# Altium PCB 0020-03_FFT2G.PcbDoc (part 12 of 16) (continued)
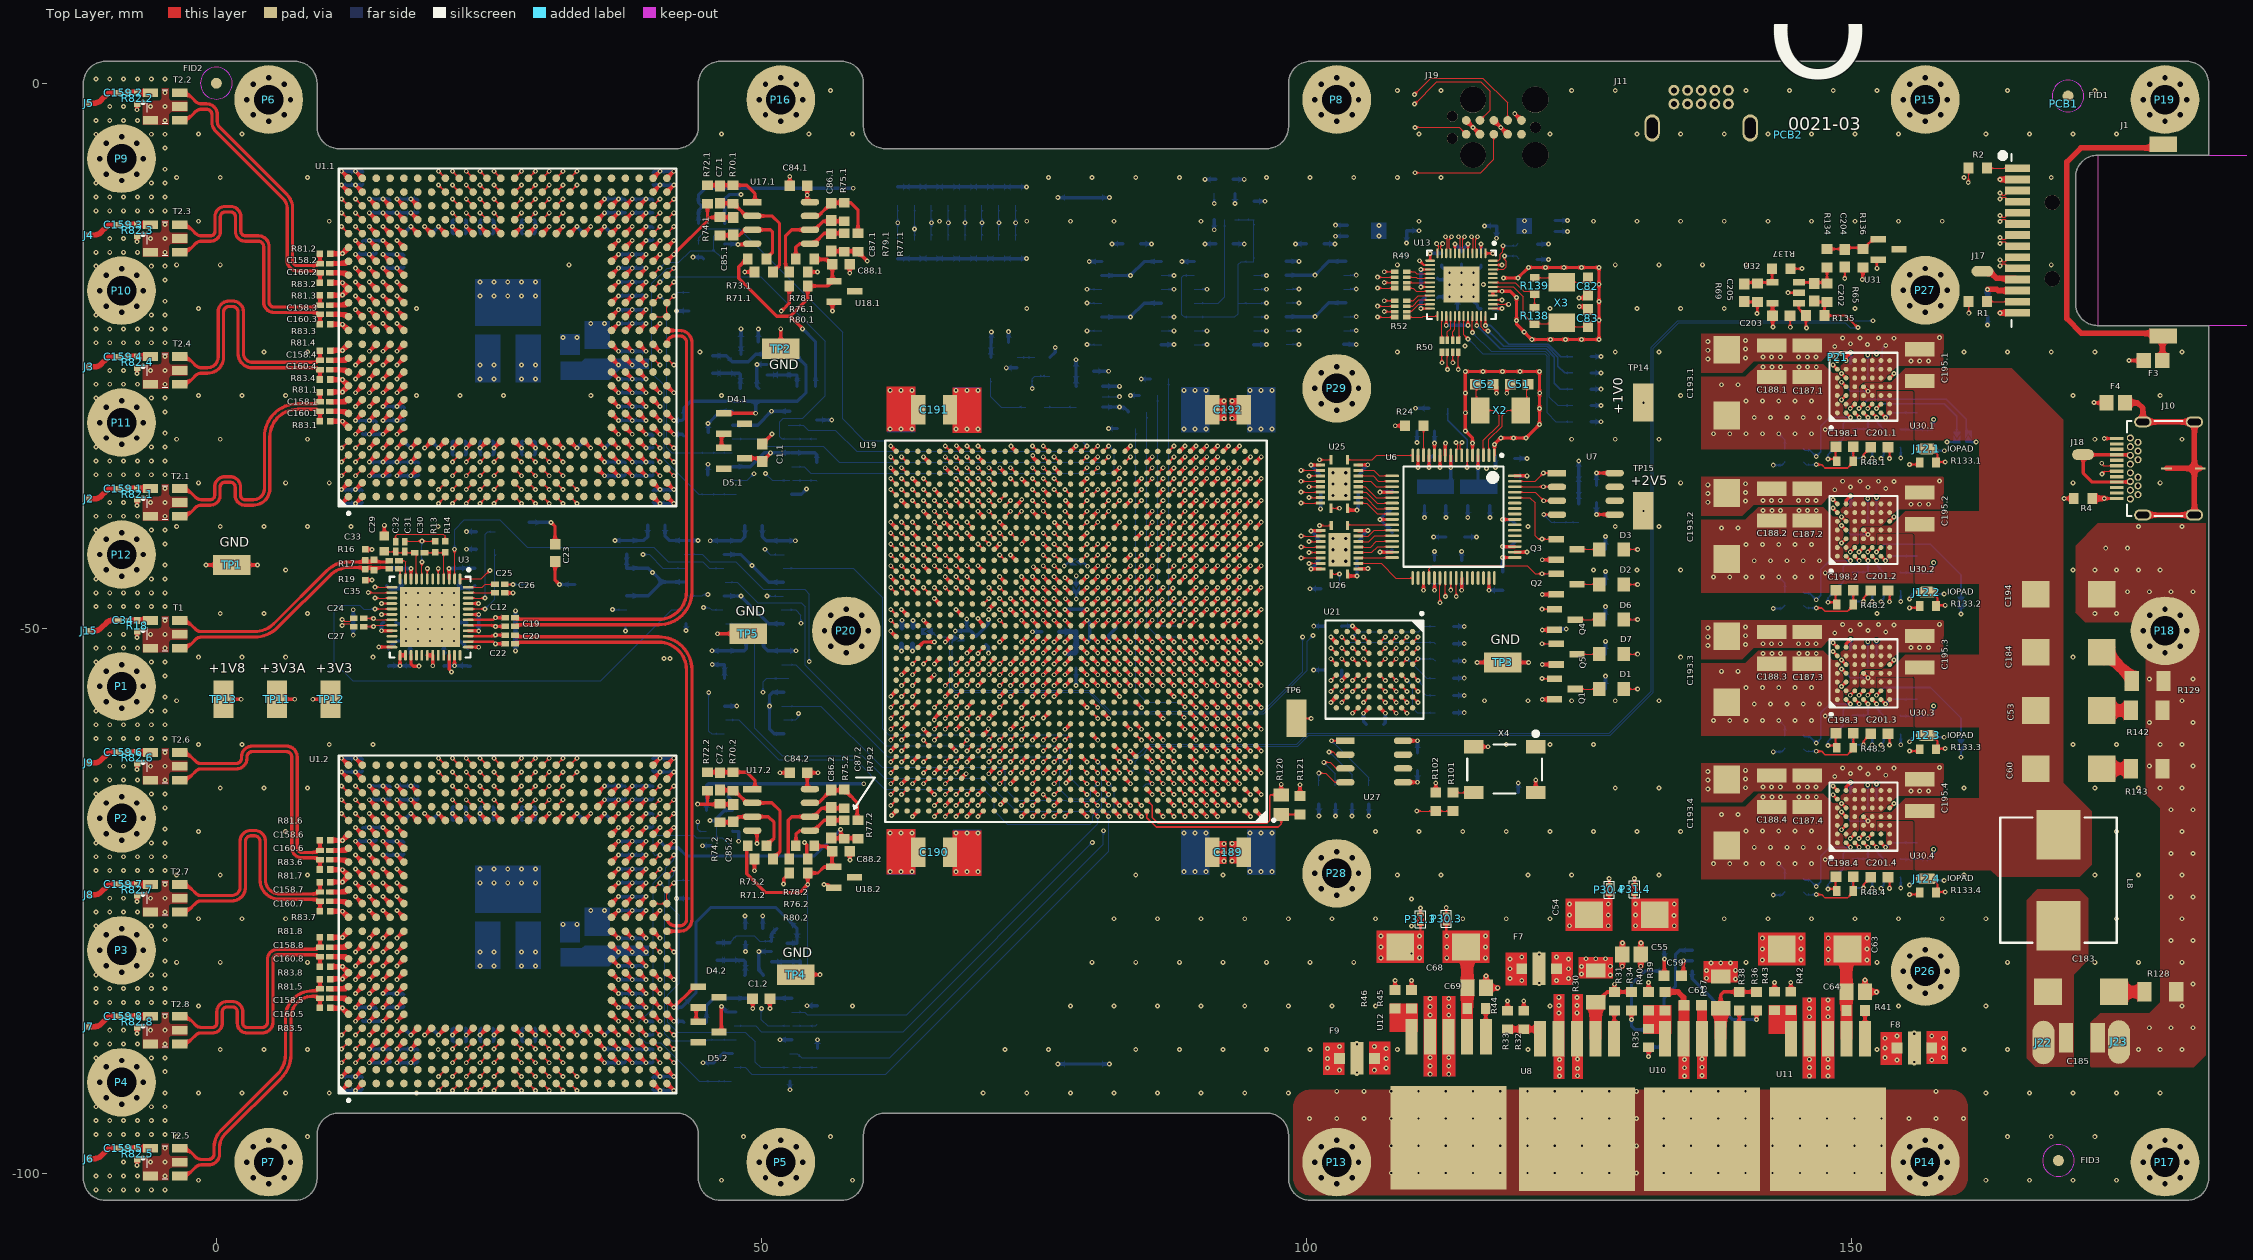
[diagram p0: Top Layer view]
## Nets (pads, with @x,y where several pads share a name; then routed paths per layer and width w, separated by ;. In a path a pad name is that pad's centre, name@x,y a point inside that pad or via, vN(x,y) a via of type N, cw(c..) or ccw(c..) an arc to the next point about the centre after c; other vN are vias at no path point) (continued)
NetC6.2_1: C6.2.1 R67.2.2 R69.2.2 U16.2.1 | length 6.8
  Bottom Layer w0.1: R69.2.2@47.131,-78.82 47.708,-78.243 49.361,-78.243 49.837,-78.72 U16.2.1@50.931,-78.72
  Bottom Layer w0.3: C6.2.1@45.931,-78.87 R69.2.2@47.131,-78.87 ; U16.2.1@50.931,-78.72 50.931,-78.07 R67.2.2@51.431,-77.57
NetC6.2_2: C6.2.2 R68.2.2 R69.2.1 U16.2.4 | length 3.9
  Bottom Layer w0.3: C6.2.2@45.931,-80.47 48.381,-80.47 U16.2.4@48.531,-80.62 48.531,-81.82 R68.2.2@48.481,-81.87
NetC7.1_1: C7.1.1 R70.1.1 R72.1.2 U17.1.1 | length 7.8
  Top Layer w0.1: R72.1.2@45.065,-9.364 45.115,-9.414 R70.1.1@47.415,-9.414
  Top Layer w0.3: R72.1.2@45.065,-9.364 R70.1.1@47.415,-9.364 48.665,-9.364 49.415,-10.114 U17.1.1@49.415,-10.909
NetC7.1_2: C7.1.2 R70.1.2 R71.1.2 U17.1.2 | length 11
  Top Layer w0.1: R70.1.2@47.415,-11.064 R70.1.2@47.494,-11.064
  Top Layer w0.3: C7.1.2@46.215,-11.014 47.444,-11.014 47.494,-11.064 48.609,-12.179 49.415,-12.179 50.98,-12.179 51.671,-12.869 51.671,-16.708 R71.1.2@51.065,-17.314
NetC7.2_1: C7.2.1 R70.2.1 R72.2.2 U17.2.1 | length 9.1
  Top Layer w0.1: R72.2.2@45.065,-63.22 45.115,-63.27 R70.2.1@47.415,-63.27 ; R70.2.1@47.415,-63.22 48.665,-63.22
  Top Layer w0.3: R72.2.2@45.065,-63.22 48.665,-63.22 49.415,-63.97 U17.2.1@49.415,-64.765
NetC7.2_2: C7.2.2 R70.2.2 R71.2.2 U17.2.2 | length 11.1
  Top Layer w0.1: R70.2.2@47.415,-64.92 R70.2.2@47.565,-64.92
  Top Layer w0.3: C7.2.2@46.215,-64.87 47.515,-64.87 47.565,-64.92 48.68,-66.035 50.98,-66.035 51.715,-66.77 51.715,-70.52 R71.2.2@51.065,-71.17
NetC12_2: C12.2 R5.1 U3.42 | length 4.3
  Top Layer w0.25: U3.42@23.106,-49.241 25.366,-49.241 25.566,-49.041 v1(25.599,-49.041) C12.2@26.5,-49.041
  Bottom Layer w0.25: v1(25.599,-49.041) R5.1@26.45,-49.041
NetC19_2: C19.2 R6.1 U3.41 | length 4.3
  Top Layer w0.25: U3.41@23.106,-49.741 25.405,-49.741 25.505,-49.841 v1(25.599,-49.841) C19.2@26.5,-49.841
  Bottom Layer w0.25: v1(25.599,-49.841) R6.1@26.45,-49.841
NetC20_2: C20.2 R7.1 U3.39 | length 4.3
  Top Layer w0.25: U3.39@23.106,-50.741 25.404,-50.741 25.505,-50.641 v1(25.599,-50.641) C20.2@26.5,-50.641
  Bottom Layer w0.25: v1(25.599,-50.641) R7.1@26.45,-50.641
NetC22_2: C22.2 R8.1 U3.38 | length 4.3
  Top Layer w0.25: U3.38@23.106,-51.241 25.366,-51.241 25.565,-51.441 v1(25.599,-51.441) C22.2@26.5,-51.441
  Bottom Layer w0.25: v1(25.599,-51.441) R8.1@26.45,-51.441
NetC24_2: C24.2 R9.1 U3.19 | length 3.5
  Top Layer w0.1: C24.2@13.51,-49.11 v1(14.411,-49.11) 14.506,-49.11 14.637,-49.241 U3.19@16.106,-49.241
  Bottom Layer w0.1: R9.1@13.56,-49.11 v1(14.411,-49.11)
NetC25_1: C25.1 U3.48 | length 2.6
  Top Layer w0.1: U3.48@23.106,-46.241 24.413,-46.241 24.661,-45.994 C25.1@25.568,-45.994
NetC25_2: C25.2 X1.3 | length 2.2
  Top Layer w0.1: C25.2@26.468,-45.994 v1(27.224,-45.994)
  Bottom Layer w0.1: v1(27.224,-45.994) X1.3@28.7,-45.994
NetC26_1: C26.1 U3.47 | length 2.5
  Top Layer w0.1: U3.47@23.106,-46.741 25.55,-46.741 C26.1@25.568,-46.759
NetC27_2: C27.2 R10.1 U3.20 | length 3.5
  Top Layer w0.1: C27.2@13.51,-49.855 v1(14.411,-49.855) 14.506,-49.855 14.619,-49.741 U3.20@16.106,-49.741
  Bottom Layer w0.1: R10.1@13.56,-49.855 v1(14.411,-49.855)
NetC29_1: C29.1 C30.2 C31.1 C32.2 U3.9 | length 5.3
  Top Layer w0.1: C29.1@15.408,-42.997 16.414,-42.997 C32.2@16.438,-42.973 16.538,-43.073 C30.2@18.198,-43.073 18.356,-43.231 U3.9@18.356,-45.491
NetC30_1: C30.1 R13.1 R14.2 U3.4 | length 4.3
  Top Layer w0.1: C30.1@19.098,-43.073 20.07,-43.073 20.935,-43.073 20.856,-43.152 U3.4@20.856,-45.491
NetC32_1: C32.1 R14.1 | length 5.7
  Top Layer w0.1: C32.1@16.438,-42.073 16.438,-41.542 16.609,-41.371 20.825,-41.371 20.985,-41.531 R14.1@20.985,-42.023
NetC34_2: C34.2 R18.1 T1.1 | length 2.1
  Top Layer w0.5: C34.2@-8.1,-49.3 R18.1@-7.273,-49.3 T1.1@-6.034,-49.3
NetC46_2: C46.2 C47.2 F5.2 U6.4 | length 4
  Top Layer w0.3: v1(115.766,-35.273) U6.4@115.766,-34.15
  Bottom Layer w0.3: 115.766,-37.024 v1(115.766,-35.273) C47.2@115.766,-34.15
NetC48_2: C48.2 C49.2 F6.2 U6.9 | length 4.2
  Top Layer w0.3: v1(113.266,-35.273) U6.9@113.266,-34.15
  Bottom Layer w0.3: C48.2@112.813,-37.045 C48.2@112.814,-37.044 113.266,-36.592 v1(113.266,-35.273) C49.2@113.266,-34.15
NetC51_2: C51.2 U6.2 X2.1 | length 8.7
  Top Layer w0.1: U6.2@116.766,-34.15 116.766,-32.688 118,-31.454 118,-30.525 118.5,-30.025 X2.1@119.675,-30.025 120.25,-29.45 C51.2@120.25,-27.625
NetC52_2: C52.2 U6.3 X2.2 | length 8.7
  Top Layer w0.1: C52.2@115.625,-27.625 115.625,-29.675 X2.2@115.975,-30.025 117.2,-30.025 117.696,-30.521 117.696,-31.328 116.266,-32.758 U6.3@116.266,-34.15
NetC53_2: C53.2 R142.1 | length 2.7
  Top Layer w1: C53.2@172.817,-57.55 R142.1@175.5,-57.55
NetC56_1: C56.1 R34.2 U9.4 | length 9.9
  Top Layer w0.3: v1(129.842,-85.915) R34.2@129.842,-85.075
  Bottom Layer w0.3: C56.1@131.419,-86.852 130.196,-86.852 129.842,-86.498 v1(129.842,-85.915) 129.842,-82.697 131.07,-81.468 U9.4@132.863,-81.468
NetC56_2: C56.2 R35.1 U9.1 | length 13.4
  Top Layer w0.3: v1(131.419,-89.317) R35.1@131.419,-88.477
  Bottom Layer w0.3: v1(131.419,-89.317) C56.2@131.419,-88.452 132.308,-88.452 132.839,-87.92 132.839,-83.932 133.879,-82.893 133.879,-79.974 134.285,-79.568 U9.1@135.413,-79.568
NetC59_1: C59.1 R30.2 R31.1 R34.1 U8.2 U9.2 | length 17.1
  Top Layer w0.3: R30.2@126.564,-84.872 126.564,-84.426 127.614,-83.375 R31.1@128.293,-83.375 ; v1(128.293,-82.675) R31.1@128.293,-83.375 ; R34.1@129.842,-83.375 R31.1@128.293,-83.375 ; C59.1@134.437,-81.9 134.607,-81.73 v1(134.607,-80.518)
  Top Layer w1.1: U8.2@126.564,-87.614 R30.2@126.564,-84.872
  LVDS2 w0.3: v1(128.293,-82.675) 129.143,-81.825 133.301,-81.825 v1(134.607,-80.518)
  Bottom Layer w0.3: v1(134.607,-80.518) U9.2@135.413,-80.518
NetC60_2: C60.2 R143.1 | length 2.7
  Top Layer w1: C60.2@172.817,-62.907 R143.1@175.5,-62.907
NetC81_1: C81.1 U13.46 | length 3.8
  Top Layer w0.1: U13.46@117.121,-17.086 118.107,-17.086 118.351,-16.841 118.351,-16.351 118.2,-16.2 v1(118.2,-15.85)
  Bottom Layer w0.1: v1(118.2,-15.85) 119.25,-15.85 C81.1@119.5,-16.1
NetC82_2: C82.2 R139.2 X3.1 | length 5
  Top Layer w0.1: R139.2@120.975,-17.85 123.025,-17.85 123.425,-18.25 C82.2@125.85,-18.25
NetC83_2: C83.2 R138.2 U13.42 X3.2 | length 11
  Top Layer w0.1: U13.42@117.121,-18.686 119.011,-18.686 119.925,-19.6 119.925,-21.175 120.55,-21.8 R138.2@120.775,-22.025 ; R138.2@120.95,-22.05 123.375,-22.05 X3.2@123.45,-21.975 123.825,-22.35 C83.2@125.85,-22.35
NetC85.1_2: C85.1.2 R73.1.2 R74.1.1 U17.1.3 | length 7.8
  Top Layer w0.3: R74.1.1@46.215,-13.964 47.965,-13.964 48.48,-13.449 49.415,-13.449 50.846,-13.449 51.022,-13.625 51.022,-15.506 50.465,-16.064 R73.1.2@50.465,-16.114
NetC85.2_2: C85.2.2 R73.2.2 R74.2.1 U17.2.3 | length 10
  Top Layer w0.1: U17.2.3@48.48,-67.305 50.65,-67.305
  Top Layer w0.3: R74.2.1@46.215,-67.82 C85.2.2@47.415,-67.82 ; C85.2.2@47.415,-67.77 47.873,-67.312 49.408,-67.312 49.415,-67.305 50.65,-67.305 51.171,-67.826 51.171,-69.264 R73.2.2@50.465,-69.97
NetC86.1_1: C86.1.1 R75.1.1 R77.1.2 U17.1.7 | length 7.6
  Top Layer w0.3: U17.1.7@54.215,-12.179 55.25,-12.179 56.415,-11.014 56.465,-10.964 R75.1.1@57.615,-10.964 58.215,-10.964 58.865,-11.614 R77.1.2@58.865,-13.764
NetC86.1_2: C86.1.2 R75.1.2 R76.1.2 U17.1.6 | length 9.7
  Top Layer w0.1: 52.565,-13.664 52.78,-13.449
  Top Layer w0.3: R76.1.2@52.565,-17.314 52.223,-16.972 52.223,-14.006 52.565,-13.664 52.78,-13.449 54.215,-13.449 54.88,-13.449 55.665,-12.664 R75.1.2@57.615,-12.664
NetC86.2_1: C86.2.1 R75.2.1 R77.2.2 U17.2.7 | length 7.3
  Top Layer w0.3: U17.2.7@54.215,-66.035 54.273,-65.977 55.308,-65.977 56.065,-65.22 56.09,-65.22 56.415,-64.895 C86.2.1@56.415,-64.87 57.565,-64.87 R75.2.1@57.615,-64.82 57.665,-64.82 57.965,-65.12 57.965,-65.17 58.798,-66.003 58.798,-67.553 R77.2.2@58.865,-67.62
NetC86.2_2: C86.2.2 R75.2.2 R76.2.2 U17.2.6 | length 10.1
  Top Layer w0.1: 52.78,-67.305 U17.2.6@54.215,-67.305
  Top Layer w0.3: R76.2.2@52.565,-71.17 52.465,-71.07 52.465,-67.62 52.78,-67.305 U17.2.6@54.215,-67.305 ; U17.2.6@54.78,-67.305 55.565,-66.52 R75.2.2@57.615,-66.52
NetC87.1_2: C87.1.2 R78.1.2 R79.1.2 U17.1.5 | length 6
  Top Layer w0.3: R78.1.2@53.165,-16.114 53.165,-15.064 53.51,-14.719 54.81,-14.719 55.765,-13.764 R79.1.2@57.615,-13.764
NetC87.2_2: C87.2.2 R78.2.2 R79.2.2 U17.2.5 | length 6.7
  Top Layer w0.1: 53.51,-68.575 U17.2.5@54.81,-68.575
  Top Layer w0.3: R78.2.2@53.165,-69.97 53.18,-69.955 53.18,-68.905 53.51,-68.575 ; U17.2.5@54.215,-68.575 54.81,-68.575 55.765,-67.62 C87.2.2@56.465,-67.62 ; C87.2.2@56.415,-67.67 C87.2.2@56.465,-67.62 ; R79.2.2@57.615,-67.62 C87.2.2@56.465,-67.62
NetC88.1_2: C88.1.2 R66.1.1 R73.1.1 R78.1.1 R80.1.1 U18.1.1 | length 24.9
  Top Layer w0.3: R73.1.1@48.765,-16.114 48.668,-16.114 47.937,-16.845 47.937,-17.909 51.412,-21.384 52.653,-21.384 v1@53.794,-22.526 ; 52.753,-21.284 54.265,-19.772 R80.1.1@54.265,-18.614 56.061,-18.614 56.52,-18.155 56.52,-16.618 56.065,-16.164 54.915,-16.164 R78.1.1@54.865,-16.114
  Bottom Layer w0.3: v1(53.783,-22.536) 54.973,-23.727 R66.1.1@54.973,-27.809
NetC88.2_2: C88.2.2 R66.2.1 R73.2.1 R78.2.1 R80.2.1 U18.2.1 | length 27.8
  Top Layer w0.3: R73.2.1@48.765,-69.97 48.665,-70.07 48.665,-72.531 50.398,-74.264 53.512,-74.264 v1(54.265,-73.511) R80.2.1@54.265,-72.47 ; R80.2.1@54.385,-72.35 R80.2.1@54.265,-72.47 ; R78.2.1@54.865,-69.97 54.915,-70.02 56.065,-70.02 C88.2.2@56.515,-70.47 56.495,-70.49 56.495,-71.908 55.765,-71.908 55.204,-72.47 R80.2.1@54.265,-72.47
  Bottom Layer w0.1: R66.2.1@51.881,-81.67 52.692,-82.48 54.059,-82.48 54.265,-82.274 v1(54.265,-73.511)
NetC159.1_1: C159.1.1 R82.1.1 T2.1.1 | length 2.1
  Top Layer w0.5: C159.1.1@-8.1,-37.193 R82.1.1@-7.273,-37.193 T2.1.1@-6.034,-37.193
NetC159.2_1: C159.2.1 R82.2.1 T2.2.1 | length 2.1
  Top Layer w0.5: C159.2.1@-8.1,-0.87 R82.2.1@-7.273,-0.87 T2.2.1@-6.034,-0.87
NetC159.3_1: C159.3.1 R82.3.1 T2.3.1 | length 2.1
  Top Layer w0.5: C159.3.1@-8.1,-12.978 R82.3.1@-7.273,-12.978 T2.3.1@-6.034,-12.978
NetC159.4_1: C159.4.1 R82.4.1 T2.4.1 | length 2.1
  Top Layer w0.5: C159.4.1@-8.1,-25.085 R82.4.1@-7.273,-25.085 T2.4.1@-6.034,-25.085
NetC159.5_1: C159.5.1 R82.5.1 T2.5.1 | length 2.1
  Top Layer w0.5: C159.5.1@-8.1,-97.728 R82.5.1@-7.273,-97.728 T2.5.1@-6.034,-97.728
NetC159.6_1: C159.6.1 R82.6.1 T2.6.1 | length 2.1
  Top Layer w0.5: C159.6.1@-8.1,-61.407 R82.6.1@-7.273,-61.407 T2.6.1@-6.034,-61.407
NetC159.7_1: C159.7.1 R82.7.1 T2.7.1 | length 2.1
  Top Layer w0.5: C159.7.1@-8.1,-73.514 R82.7.1@-7.273,-73.514 T2.7.1@-6.034,-73.514
NetC159.8_1: C159.8.1 R82.8.1 T2.8.1 | length 2.1
  Top Layer w0.5: C159.8.1@-8.1,-85.621 R82.8.1@-7.273,-85.621 T2.8.1@-6.034,-85.621
NetC183_2: C183.2 R128.1 | length 2.8
  Top Layer w1: C183.2@174.125,-83.375 R128.1@176.925,-83.375
NetC184_2: C184.2 R129.1 | length 4
  Top Layer w1: C184.2@172.992,-52.225 173.375,-52.225 175.75,-54.6 R129.1@175.75,-54.85
NetC201.1_1: C201.1.1 R132.1.1 | length 3.2
  Top Layer w0.15: v1(151.147,-34.402) 151.147,-34.053 C201.1.1@151.801,-33.399
  Bottom Layer w0.1: R132.1.1@150.067,-33.449 R132.1.1@150.092,-33.424
  Bottom Layer w0.15: R132.1.1@150.092,-33.424 150.092,-34.18 150.315,-34.402 v1(151.147,-34.402)
NetC201.2_1: C201.2.1 R132.2.1 | length 3.2
  Top Layer w0.15: v1(151.147,-47.552) 151.147,-47.202 C201.2.1@151.801,-46.548
  Bottom Layer w0.1: R132.2.1@150.067,-46.598 R132.2.1@150.092,-46.573
  Bottom Layer w0.15: R132.2.1@150.092,-46.573 150.092,-47.329 150.315,-47.552 v1(151.147,-47.552)
NetC201.3_1: C201.3.1 R132.3.1 | length 3.2
  Top Layer w0.15: v1(151.147,-60.701) 151.147,-60.351 C201.3.1@151.801,-59.697
  Bottom Layer w0.1: R132.3.1@150.067,-59.747 R132.3.1@150.092,-59.722
  Bottom Layer w0.15: R132.3.1@150.092,-59.722 150.092,-60.478 150.315,-60.701 v1(151.147,-60.701)
NetC201.4_1: C201.4.1 R132.4.1 | length 3.2
  Top Layer w0.15: v1(151.147,-73.85) 151.147,-73.5 C201.4.1@151.801,-72.846
  Bottom Layer w0.1: R132.4.1@150.067,-72.897 R132.4.1@150.092,-72.871
  Bottom Layer w0.15: R132.4.1@150.092,-72.871 150.092,-73.627 150.315,-73.85 v1(151.147,-73.85)
NetC202_2: C202.2 R65.1 R134.2 U32.3 | length 4.1
  Top Layer w0.2: U32.3@145.2,-18.275 146.626,-18.275 147.7,-18.275 R65.1@147.8,-18.375 147.787,-18.362 R134.2@147.787,-16.91
NetC204_2: C204.2 R134.1 R136.1 U31.1 | length 5.1
  Top Layer w0.2: R134.1@147.787,-15.21 149.36,-15.21 C204.2@149.425,-15.275 149.607,-15.093 R136.1@151.183,-15.093 ; R136.1@151.076,-15.199 R136.1@151.183,-15.093 ; U31.1@152.35,-14.3 152.175,-14.475 151.85,-14.475 151.233,-15.093 R136.1@151.183,-15.093
NetC205_1: C205.1 R69.2 R135.2 U32.1 | length 10
  Top Layer w0.2: C205.1@140.2,-20.025 140.25,-20.075 R69.2@141.4,-20.075 141.4,-21.097 v1(141.371,-21.126) ; U32.1@145.2,-20.175 145.2,-20.675 145.45,-20.925 145.5,-20.925 145.85,-21.275 R135.2@145.85,-21.325 145.85,-22.43 v1(145.892,-22.472)
  LVDS1 w0.2: v1(141.371,-21.126) 144.546,-21.126 v1(145.892,-22.472)
NetC205_2: C205.2 R69.1 R137.2 U32.4 | length 3.9
  Top Layer w0.2: C205.2@140.2,-18.425 140.35,-18.275 U32.4@142.8,-18.275 142.75,-18.225 R137.2@142.75,-17.025
NetD1_1: D1.1 Q1.3 | length 1.9
  Top Layer w0.1: Q1.3@124.989,-55.586 D1.1@126.906,-55.586
NetD1_2: D1.2 R15.1 | length 2.5
  Top Layer w0.1: D1.2@129.156,-55.586 v1(130.416,-55.586)
  Bottom Layer w0.1: R15.1@129.156,-55.586 v1(130.416,-55.586)
NetD2_1: D2.1 R28.2 | length 2.5
  Top Layer w0.1: D2.1@129.156,-45.994 v1(130.416,-45.994)
  Bottom Layer w0.1: R28.2@129.156,-45.994 v1(130.416,-45.994)
NetD2_2: D2.2 Q2.3 | length 1.9
  Top Layer w0.1: Q2.3@124.989,-45.959 126.871,-45.959 D2.2@126.906,-45.994
NetD3_1: D3.1 R29.2 | length 2.5
  Top Layer w0.1: D3.1@129.156,-42.775 v1(130.416,-42.775)
  Bottom Layer w0.1: R29.2@129.156,-42.775 v1(130.416,-42.775)
NetD3_2: D3.2 Q3.3 | length 1.9
  Top Layer w0.1: Q3.3@124.989,-42.775 D3.2@126.906,-42.775
NetD4.1_2: D4.1.2 D5.1.1 | length 1.3
  Top Layer w0.3: D5.1.1@46.348,-33.459 D4.1.2@46.348,-32.184
NetD4.2_2: D4.2.2 D5.2.1 | length 1.3
  Top Layer w0.3: D5.2.1@44.023,-86.109 D4.2.2@44.023,-84.809
NetD6_1: D6.1 Q4.3 | length 1.9
  Top Layer w0.1: Q4.3@125.014,-49.21 D6.1@126.931,-49.21
NetD6_2: D6.2 R109.1 | length 2.5
  Top Layer w0.1: D6.2@129.156,-49.21 v1(130.416,-49.21)
  Bottom Layer w0.1: R109.1@129.156,-49.21 v1(130.416,-49.21)
NetD7_1: D7.1 R119.2 | length 2.5
  Top Layer w0.1: D7.1@129.156,-52.389 v1(130.416,-52.389)
  Bottom Layer w0.1: R119.2@129.156,-52.389 v1(130.416,-52.389)
NetD7_2: D7.2 Q5.3 | length 1.9
  Top Layer w0.1: Q5.3@124.989,-52.385 126.903,-52.385 D7.2@126.906,-52.389
NetF3_2: F3.2 J1.S1 J1.S2 | length 35.7
  Top Layer w0.5: F3.2@178.55,-25.45 178.569,-25.43 J1.S1@178.569,-22.936 ; J1.S1@178.65,-22.95 171.134,-22.95 169.785,-21.601 169.785,-7.221 171.077,-5.93 J1.S2@178.65,-5.93
NetF4_2: F4.2 J10.Shell | length 24.2
  Top Layer w0.5: F4.2@175.125,-29.325 176.275,-29.325 176.77,-29.82 J10.Shell@176.77,-31.079 J10.Shell@181.5,-31.079 181.5,-35.348 ; J10.Shell@176.77,-39.618 J10.Shell@181.5,-39.618 181.5,-35.348 ; J10.Shell@178.95,-35.348 181.5,-35.348 ; J10.Shell@182.05,-35.348 181.5,-35.348
NetJ1_1: J1.1 R2.1 | length 2.7
  Top Layer w0.1: R2.1@162.478,-7.796 J1.1@165.189,-7.796
NetJ1_11: J1.11 J17.1 | length 3.4
  Top Layer w0.5: J17.1@162.05,-17.25 162.685,-17.25 163.326,-17.891 165.084,-17.891 J1.11@165.189,-17.996
NetJ1_12: J1.12 R3.2 | length 3.6
  Top Layer w0.5: v1(162.525,-18.925) 163.375,-18.925 163.48,-19.03 J1.12@165.27,-19.03
  Bottom Layer w0.5: R3.2@162.525,-19.725 v1(162.525,-18.925)
NetJ1_13: J1.13 R1.1 | length 2.7
  Top Layer w0.1: R1.1@162.478,-20.036 J1.13@165.189,-20.036
NetJ2_1: C159.1.2 J2.1 | length 3
  Top Layer w0.5: J2.1@-11.7,-38.143 -11.2,-38.143 ccw(c-11.2,-37.246) -11.133,-38.141 ccw(c-11.2,-37.246) -10.565,-37.88 -10.05,-37.365 cw(c-9.628,-37.787) -9.628,-37.19 C159.1.2@-9,-37.19
NetJ3_1: C159.4.2 J3.1 | length 3
  Top Layer w0.5: J3.1@-11.7,-26.036 -11.2,-26.036 ccw(c-11.2,-25.138) -11.133,-26.033 ccw(c-11.2,-25.138) -10.565,-25.773 -10.05,-25.257 cw(c-9.628,-25.68) -9.628,-25.082 C159.4.2@-9,-25.082
NetJ4_1: C159.3.2 J4.1 | length 3
  Top Layer w0.5: J4.1@-11.7,-13.928 -11.2,-13.928 ccw(c-11.2,-13.031) -11.133,-13.926 ccw(c-11.2,-13.031) -10.565,-13.665 -10.05,-13.15 cw(c-9.628,-13.572) -9.628,-12.975 C159.3.2@-9,-12.975
NetJ5_1: C159.2.2 J5.1 | length 3
  Top Layer w0.5: J5.1@-11.7,-1.821 -11.2,-1.821 ccw(c-11.2,-0.923) -11.133,-1.818 ccw(c-11.2,-0.923) -10.565,-1.558 -10.05,-1.043 cw(c-9.628,-1.465) -9.628,-0.868 C159.2.2@-9,-0.868
NetJ6_1: C159.5.2 J6.1 | length 3
  Top Layer w0.5: J6.1@-11.7,-98.678 -11.2,-98.678 ccw(c-11.2,-97.781) -11.133,-98.676 ccw(c-11.2,-97.781) -10.565,-98.415 -10.05,-97.9 ; -10.05,-97.9 cw(c-9.628,-98.322) -9.628,-97.725 C159.5.2@-9,-97.725
NetJ7_1: C159.8.2 J7.1 | length 3
  Top Layer w0.5: J7.1@-11.7,-86.571 -11.2,-86.571 ccw(c-11.2,-85.674) -11.133,-86.569 ccw(c-11.2,-85.674) -10.565,-86.308 -10.05,-85.793 cw(c-9.627,-86.216) -9.627,-85.618 C159.8.2@-9,-85.618
NetJ8_1: C159.7.2 J8.1 | length 3
  Top Layer w0.5: J8.1@-11.7,-74.464 -11.2,-74.464 ccw(c-11.2,-73.567) -11.133,-74.462 ccw(c-11.2,-73.567) -10.565,-74.201 -10.05,-73.686 ; -10.05,-73.686 cw(c-9.627,-74.109) -9.627,-73.511 C159.7.2@-9,-73.511
NetJ9_1: C159.6.2 J9.1 | length 3
  Top Layer w0.5: J9.1@-11.7,-62.357 -11.2,-62.357 ccw(c-11.2,-61.46) -11.133,-62.355 ccw(c-11.2,-61.46) -10.565,-62.094 -10.05,-61.579 cw(c-9.628,-62.001) -9.628,-61.404 C159.6.2@-9,-61.404
NetJ10_A1: J10.A1 J10.A12 J10.B1 J10.B12 J10.G1 J10.G2 R4.2 | length 15.1
  Top Layer w0.3: v1(173.225,-38.1) 173.226,-38.098 J10.A1@174.37,-38.098 ; v1(173.225,-32.6) 173.226,-32.598 J10.A12@174.37,-32.598
  Top Layer w0.5: R4.2@172.125,-38.1 v1(173.225,-38.1)
  SIG1 w0.5: v1(173.225,-38.1) 173.725,-38.1 174.15,-37.675 174.15,-37.325 ; v1(173.225,-32.6) 173.276,-32.548 174.15,-32.548 ; J10.B12@175.62,-38.148 J10.G2@175.62,-37.349 174.173,-37.349 174.15,-37.325 ; J10.G1@175.62,-33.348 J10.B1@175.62,-32.548 174.15,-32.548 ; 174.15,-37.325 174.15,-32.548
NetJ10_A4: J10.A4 J10.A9 J10.B4 J10.B9 J18.1 | length 10.8
  Top Layer w0.3: J18.1@171.275,-34.098 J18.1@171.298,-34.098 ; J18.1@171.275,-34.075 J18.1@171.298,-34.098 ; J10.B9@175.62,-36.548 175.57,-36.598 J10.A4@174.37,-36.598 172.123,-36.598 171.298,-35.773 J18.1@171.298,-34.098 ; J10.B4@175.62,-34.148 175.57,-34.098 J10.A9@174.37,-34.098 J18.1@171.298,-34.098
NetJ15_1: C34.1 J15.1 | length 3
  Top Layer w0.5: J15.1@-11.7,-50.25 -11.2,-50.25 ccw(c-11.2,-49.353) -11.133,-50.248 ccw(c-11.2,-49.353) -10.565,-49.987 -10.05,-49.472 cw(c-9.628,-49.894) -9.628,-49.297 C34.1@-9,-49.297
NetP22_2: P22.2 U30.2.D2 | length 14.9
  Top Layer w0.15: v1(150.724,-43.01) U30.2.D2@151.135,-42.598
  LVDS2 w0.15: v1(150.724,-43.01) 150.724,-40.988 v1(158.795,-32.917)
  Bottom Layer w0.15: v1(158.795,-32.917) 158.804,-32.927 P22.2@159.7,-32.927
NetP23_2: P23.2 U30.3.D2 | length 14.9
  Top Layer w0.15: v1(150.724,-56.159) U30.3.D2@151.135,-55.748
  LVDS2 w0.15: v1(150.724,-56.159) 150.724,-54.114 154.163,-50.675 158.1,-50.675 v1(160.075,-48.7)
  Bottom Layer w0.15: v1(160.075,-48.7) 160.08,-48.695 P23.2@160.08,-48.048
NetP24_2: P24.2 U30.4.D2 | length 14.9
  Top Layer w0.15: v1(150.724,-69.308) U30.4.D2@151.135,-68.897
  LVDS2 w0.15: v1(150.724,-69.308) 150.724,-67.263 154.163,-63.824 158.1,-63.824 v1(160.075,-61.849)
  Bottom Layer w0.15: v1@160.08,-61.844 P24.2@160.08,-61.197
NetP25_2: P25.2 U30.1.D2 | length 12.7
  Top Layer w0.15: v1(150.724,-29.86) U30.1.D2@151.135,-29.449
  Bottom Layer w0.15: v1(150.724,-29.86) 151.584,-29 158.725,-29 160.57,-30.845 P25.2@160.57,-31.992
NetR11_2: R11.2 U3.44 | length 7.4
  Top Layer w0.1: U3.44@23.106,-48.241 v1(24.661,-48.241)
  Bottom Layer w0.1: v1(24.661,-48.241) 25.565,-47.336 R11.2@25.565,-42.759
NetR12_2: R12.2 U3.46 | length 8.4
  Top Layer w0.1: U3.46@23.106,-47.241 v1(24.661,-47.241)
  Bottom Layer w0.1: v1(24.661,-47.241) 24.661,-41.407 24.918,-41.15 R12.2@25.577,-41.15
NetR20_1: R20.1 R23.1 U7.4 | length 5
  Top Layer w0.1: v1(121.8,-39.584) U7.4@123.303,-39.584
  Bottom Layer w0.1: v1(121.8,-39.584) 122.492,-40.275 R23.1@123.303,-40.275 R20.1@125.003,-40.275
NetR21_1: R21.1 U6.63 U7.1 | length 6.1
  Top Layer w0.1: U6.63@119.141,-36.525 121.003,-36.525 v1(121.755,-35.774) U7.1@123.303,-35.774
  Bottom Layer w0.1: v1(121.755,-35.774) 123.151,-35.774 R21.1@123.303,-35.621
NetR22_1: R22.1 U6.62 U7.2 | length 5.7
  Top Layer w0.1: U6.62@119.141,-37.025 v1(121.755,-37.025) U7.2@123.303,-37.025
  Bottom Layer w0.1: v1(121.755,-37.025) 123.285,-37.025 R22.1@123.303,-37.044
NetR23_2: R23.2 U6.61 U7.3 | length 6.1
  Top Layer w0.1: U6.61@119.141,-37.525 121.003,-37.525 v1(121.791,-38.314) U7.3@123.303,-38.314
  Bottom Layer w0.1: v1(121.791,-38.314) 123.042,-38.314 R23.2@123.303,-38.575
NetR24_2: R24.2 U6.14 | length 2.7
  Top Layer w0.1: U6.14@110.766,-34.15 R24.2@110.766,-31.43
NetR25_2: R25.2 U6.6 | length 7.3
  Top Layer w0.1: v1(114.766,-35.273) U6.6@114.766,-34.15
  Bottom Layer w0.12: R25.2@112.975,-29.825 112.975,-30.909 114.766,-32.7 v1(114.766,-35.273)
NetR31_2: R31.2 U8.1 | length 2.6
  Top Layer w0.3: U8.1@128.264,-87.614 128.264,-85.104 R31.2@128.293,-85.075
NetR32_2: R32.2 R33.1 U8.5 | length 3.6
  Top Layer w0.5: R33.1@118.462,-86.8 R32.2@119.96,-86.8 121.164,-86.8 121.464,-87.1 U8.5@121.464,-87.614
NetR35_2: R35.2 R39.2 R40.1 U10.5
NetR36_1: R36.1 R37.2 R38.1 U10.2 | length 7.4
  Top Layer w0.3: R37.2@138.036,-84.875 138.036,-83.653 138.313,-83.375 R38.1@139.736,-83.375 R36.1@141.323,-83.375
  Top Layer w1.1: U10.2@138.036,-87.614 R37.2@138.036,-84.875
NetR36_2: R36.2 U9.3 | length 9
  Top Layer w0.3: v1(141.323,-85.915) R36.2@141.323,-85.075
  Bottom Layer w0.3: U9.3@135.413,-81.468 135.413,-82.174 139.154,-85.915 v1(141.323,-85.915)
NetR38_2: R38.2 U10.1 | length 2.5
  Top Layer w0.3: U10.1@139.736,-87.614 R38.2@139.736,-85.075
NetR41_2: R41.2 U11.1 | length 2.5
  Top Layer w0.3: R41.2@151.242,-85.071 R41.2@151.264,-85.093 U11.1@151.264,-87.61
NetR42_2: R42.2 R43.1 U11.5
NetR44_2: R44.2 U12.1 | length 2.5
  Top Layer w0.3: U12.1@116.475,-87.45 R44.2@116.475,-84.911
NetR45_2: R45.2 R46.1 U12.5
NetR49_5: R49.5 U13.20 | length 2.3
  Top Layer w0.1: R49.5@109.225,-18.797 109.824,-18.797 110.113,-19.086 U13.20@111.371,-19.086
NetR49_6: R49.6 U13.18 | length 2.2
  Top Layer w0.1: R49.6@109.225,-18.297 109.236,-18.286 U13.18@111.371,-18.286
NetR49_7: R49.7 U13.17 | length 2.2
  Top Layer w0.1: R49.7@109.225,-17.797 110.085,-17.797 110.174,-17.886 U13.17@111.371,-17.886
NetR49_8: R49.8 U13.16 | length 2.2
  Top Layer w0.1: R49.8@109.225,-17.297 109.958,-17.297 110.147,-17.486 U13.16@111.371,-17.486
NetR50_5: R50.5 U13.30 | length 2.3
  Top Layer w0.1: R50.5@113.951,-23.591 114.046,-23.496 U13.30@114.046,-21.361
NetR50_6: R50.6 U13.29 | length 2.3
  Top Layer w0.1: R50.6@113.451,-23.591 113.451,-22.787 113.646,-22.591 U13.29@113.646,-21.361
NetR50_7: R50.7 U13.28 | length 2.4
  Top Layer w0.1: R50.7@112.951,-23.591 112.951,-22.804 113.246,-22.509 U13.28@113.246,-21.361
NetR50_8: R50.8 U13.26 | length 2.2
  Top Layer w0.1: U13.26@112.446,-21.361 112.446,-23.587 R50.8@112.451,-23.591
NetR51_1: R51.1 U13.36 | length 10.1
  Top Layer w0.1: v1(116.446,-22.23) U13.36@116.446,-21.361
  Bottom Layer w0.12: v1(116.446,-22.23) 116.88,-22.23 118.585,-23.935 122.21,-23.935 123.359,-25.084 R51.1@124.45,-25.084
NetR52_5: R52.5 U13.25 | length 2.9
  Top Layer w0.1: R52.5@109.225,-21.459 110.641,-21.459 110.739,-21.361 U13.25@112.046,-21.361
NetR52_6: R52.6 U13.23 | length 2.4
  Top Layer w0.1: R52.6@109.225,-20.959 109.246,-20.937 109.666,-20.937 110.317,-20.286 U13.23@111.371,-20.286
NetR52_7: R52.7 U13.22 | length 2.4
  Top Layer w0.1: R52.7@109.225,-20.459 109.758,-20.459 110.331,-19.886 U13.22@111.371,-19.886
NetR52_8: R52.8 U13.21 | length 2.3
  Top Layer w0.1: R52.8@109.225,-19.959 109.826,-19.959 110.3,-19.486 U13.21@111.371,-19.486
NetR57_2: R57.2 U13.48 | length 3.6
  Top Layer w0.1: U13.48@117.121,-16.286 117.639,-16.286 117.825,-16.1 117.825,-15.695 118.049,-15.471 v1(118.049,-14.911)
  Bottom Layer w0.1: v1(118.049,-14.911) 119.253,-14.911 R57.2@119.474,-14.69
NetR58.1_1: R58.1.1 U1.1.AC14 U1.1.AD14 U1.1.AD15 | length 5
  Top Layer w0.1: U1.1.AC14@40.068,-21.417 U1.1.AD14@41.338,-21.417 U1.1.AD15@41.338,-20.147 v1(41.973,-19.512)
  Bottom Layer w0.1: v1(41.973,-19.512) 42.283,-19.202 R58.1.1@43.371,-19.202
NetR58.2_1: R58.2.1 U1.2.AC14 U1.2.AD14 U1.2.AD15 | length 4.9
  Top Layer w0.1: U1.2.AC14@40.068,-75.273 U1.2.AD14@41.338,-75.273 U1.2.AD15@41.338,-74.003 v1(41.973,-73.368)
  Bottom Layer w0.1: v1(41.973,-73.368) 42.227,-73.114 R58.2.1@43.371,-73.114
NetR101_1: R101.1 X4.3 | length 1.9
  Top Layer w0.1: R101.1@113.454,-65.087 X4.3@115.359,-65.087
NetR101_2: R101.2 R102.2 U19.A10 | length 27.5
  Top Layer w0.1: U19.A10@86.375,-66.78 v1(86.875,-67.28) ; v1(110.144,-66.78) 113.446,-66.78 R101.2@113.454,-66.787
  SIG2 w0.1: v1(86.875,-67.28) 87.375,-66.78 v1(110.144,-66.78)
NetR106_2: R106.2 U21.B4 | length 4
  Top Layer w0.1: U21.B4@108.76,-53.312 v1(109.26,-52.812)
  Bottom Layer w0.1: v1(109.26,-52.812) 111.04,-54.592 R106.2@111.824,-54.592
NetR107_2: R107.2 U21.B5 | length 5.7
  Top Layer w0.1: U21.B5@108.76,-54.312 v1(109.26,-54.812)
  Bottom Layer w0.1: v1(109.26,-54.812) 109.76,-55.312 109.76,-57.312 110.207,-57.759 R107.2@111.831,-57.759
NetR108_2: R108.2 U21.A4 | length 2.4
  Top Layer w0.1: U21.A4@109.76,-53.312 v1(110.26,-52.812)
  Bottom Layer w0.1: v1(110.26,-52.812) 111.627,-52.812 R108.2@111.824,-53.008
NetR111_1: R111.1 U19.L8 | length 29.9
  Top Layer w0.1: U19.L8@88.375,-56.78 88.394,-56.78 88.861,-57.248 v1(88.88,-57.248)
  Bottom Layer w0.1: R111.1@84.366,-31.684 84.375,-31.693 84.375,-55.78 85.375,-56.78 88.375,-56.78 88.843,-57.248 v1(88.88,-57.248)
NetR113_2: R113.2 U19.U8 | length 24.4
  Top Layer w0.1: U19.U8@88.375,-50.78 v1(88.875,-51.28)
  Bottom Layer w0.1: R113.2@85.374,-30.169 85.375,-30.17 85.375,-49.78 86.375,-50.78 88.375,-50.78 v1(88.875,-51.28)
NetR114_1: R114.1 U23.4 | length 5.3
  Bottom Layer w0.1: U23.4@71.067,-27.064 71.067,-28.773 72.008,-29.713 R114.1@74.284,-29.713
NetR114_2: R114.2 U24.4 | length 2.9
  Bottom Layer w0.1: R114.2@75.984,-29.713 U24.4@78.899,-29.713
NetR115_2: R115.2 U19.W8 | length 22.8
  Top Layer w0.1: U19.W8@88.375,-48.78 v1(88.875,-48.28)
  Bottom Layer w0.1: R115.2@87.389,-27.138 87.375,-27.151 87.375,-47.407 87.748,-47.78 88.375,-47.78 v1(88.875,-48.28)
NetR116_1: R116.1 U23.1 | length 1.6
  Bottom Layer w0.1: U23.1@73.467,-25.164 R116.1@75.087,-25.164
NetR116_2: R116.2 R118.2 U19.AD24 | length 19.8
  Top Layer w0.1: v1(71.875,-43.28) U19.AD24@72.375,-43.78
  SIG1 w0.1: v1(71.875,-43.28) 72.375,-42.78 72.375,-30.483 v1(74.861,-27.997)
  Bottom Layer w0.1: v1(74.861,-27.997) 74.861,-27.095 R116.2@75.09,-26.866 R118.2@76.487,-26.866
NetR117_2: R117.2 U19.V8 | length 24.3
  Top Layer w0.1: U19.V8@88.375,-49.78 v1(88.875,-49.28)
  Bottom Layer w0.1: R117.2@86.381,-28.653 86.375,-28.659 86.375,-49.402 86.753,-49.78 88.375,-49.78 v1(88.875,-49.28)
NetR120_2: R120.2 R121.2 U19.A11 | length 16
  Top Layer w0.15: U19.A11@85.375,-66.78 85.375,-67.39 86.23,-68.245 97.426,-68.245 97.706,-67.966 R120.2@97.706,-67.096 R121.2@99.433,-67.096
NetR130.1_2: R130.1.2
NetR138_1: R138.1 R139.1 U13.43 | length 5.6
  Top Layer w0.1: U13.43@117.121,-18.286 119.161,-18.286 119.946,-19.071 120.696,-19.071 R139.1@120.975,-19.35 120.95,-19.375 R138.1@120.95,-20.6
NetTP6_1: TP6.1 U19.K8 | length 14
  Top Layer w0.1: U19.K8@88.375,-57.78 v1(88.809,-58.214) ; TP6.1@99.121,-58.28 v1(100.455,-58.28)
  LVDS2 w0.1: v1(88.809,-58.214) 89.375,-58.78 99.955,-58.78 v1(100.455,-58.28)